# Altium PCB AMS-LV.PcbDoc (part 1 of 2) (continued)
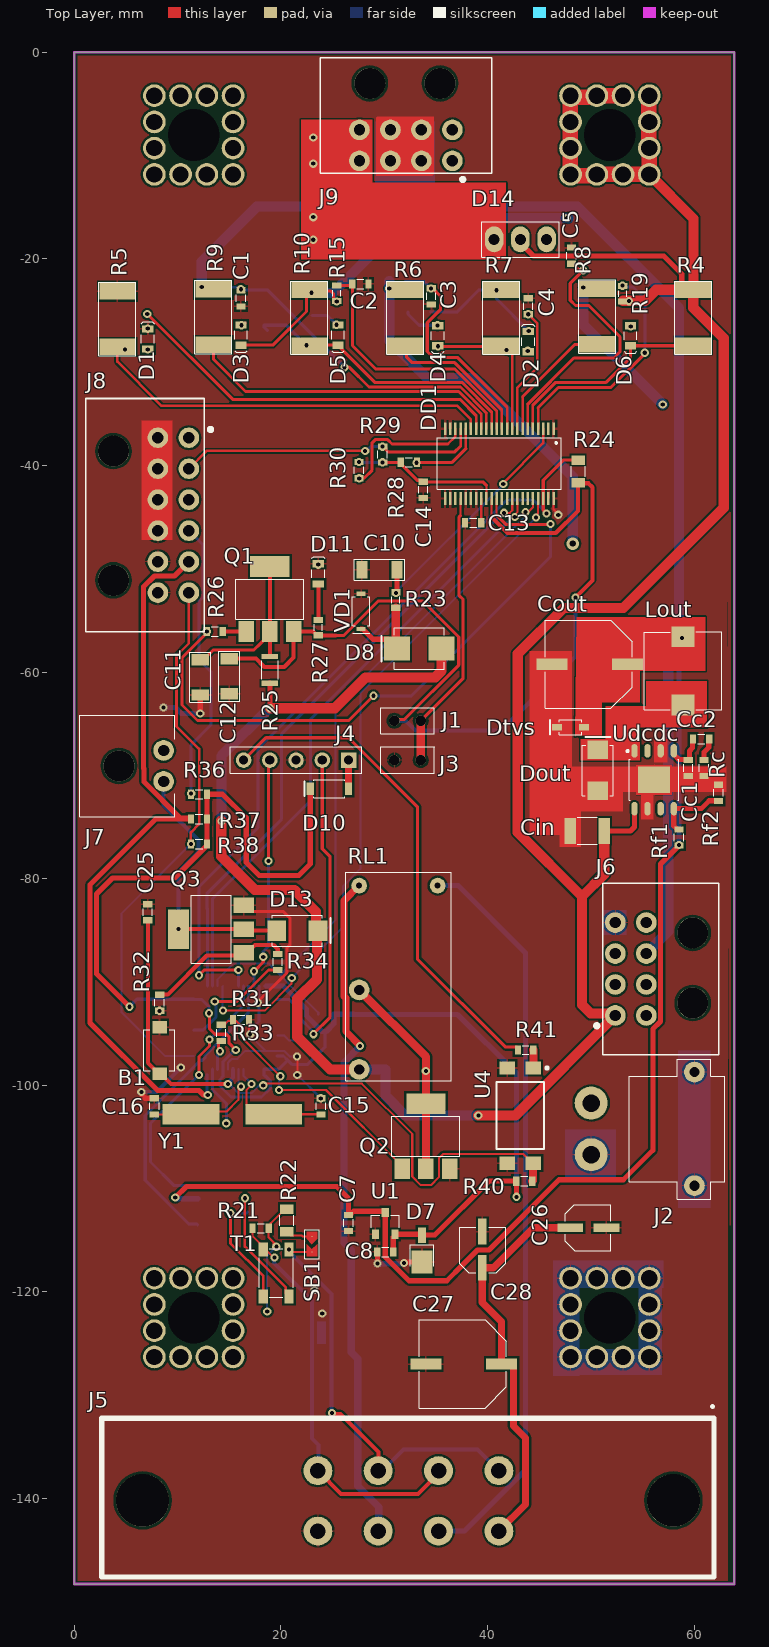
[diagram p0: Top Layer view]
## Footprints (in the part's own frame and the unit in brackets; to place one, negate y for a bottom-side part, rotate by r counter-clockwise, add the part's x,y. Pads: shape width x height; smd on the part's side, far side on the other; paste and mask are expansions set on the pad)
"0603 Capicator" [mm]
  rect 0.6x0.9 smd: 1(-0.78,0) 2(0.78,0)
  silkscreen extent -0.35,-0.45 0.35,0.45, body extent -0.82,-0.45 0.88,0.45, height 0.9
"0603 Resistor" [mm]
  rect 0.6x0.9 smd: 1(-0.78,0) 2(0.78,0)
  silkscreen extent -0.35,-0.45 0.35,0.45, body extent -0.85,-0.45 0.85,0.45, height 0.55
"0805 LED" [mm]
  rect 0.7x1.1 smd: 1(-0.975,0) 2(0.975,0)
  silkscreen extent -0.4,-0.63 1.68,0.63, body extent -1.01,-0.62 1.01,0.62, height 1.1
"0805 Resistor" [mm]
  rect 0.9x1.3 smd: 1(-1.1,0) 2(1.1,0)
  silkscreen extent -0.53,-0.67 0.53,0.67, body extent -1.05,-0.67 1.05,0.68, height 0.6
"1210 CAPACITOR" [mm]
  rect 1.1x2.5 smd: 1(-1.65,0) 2(1.65,0)
  silkscreen extent -0.95,-1.3 0.97,1.3, body extent -1.75,-1.35 1.75,1.35, height 1.8
7460408 [mm]
  round 2.2 hole 1.57: 1(-3.81,-3.81) 2(-1.27,-3.81) 3(1.27,-3.81) 4(3.81,-3.81) 5(3.81,-1.27) 6(3.81,1.27) 7(3.81,3.81) 8(1.27,3.81) 9(-1.27,3.81) 10(-3.81,3.81) 11(-3.81,1.27) 12(-3.81,-1.27)
  round 2.5 hole 5 unplated: 13(0,0)
  silkscreen extent -4.5,-4.5 4.5,4.5, body extent -4.5,-4.5 4.5,4.5, height 6.1
ACT45B [mm]
  rect 1.35x0.9 smd: 1(0.675,2.5) 2(0.675,0) 3(5.225,0) 4(5.225,2.5)
  silkscreen extent 0.6,-0.4 5.3,2.9, body extent 0.7,-0.35 5.2,2.85, height 3
"Bar Cap 4x5.4" [mm]
  rect 0.8x2.5 smd: 1(0,0) 2(0,-3.5)
  silkscreen extent -2.2,-4 2.25,0.43, body extent -2.15,-4.3 2.15,0.7, height 5.4
"Bar Cap 8x10.5"#1 [mm]
  rect 1.1x3 smd: 1(0,0) 2(0,-7.325)
  silkscreen extent -4.28,-7.8 4.28,0.65, body extent -4.14,-8.24 4.16,1.06, height 10.31
"Bar Cap 8x10.5"#2 [mm]
  rect 1.1x3 smd: 1(0,0) 2(0,7.325)
  silkscreen extent -4.28,-0.65 4.28,7.8, body extent -4.31,-1.06 3.99,8.24, height 10.31
"BUTTON 4x3" [mm]
  rect 1.4x1.2 smd: 1(0,0) 2(0,-4.5)
  silkscreen extent -1.48,-4.25 1.53,-0.25, body extent -1.43,-4.78 1.47,0.22, height 2
"Cap 0.1µF (1206)" [mm]
  rect 1.1x1.7 smd: 1(1.7,0) 2(-1.7,0)
  silkscreen extent -2.42,-1.02 2.43,1.02, body extent -1.68,-0.88 1.67,0.87, height 1
"Conn 4x2 [MX150L]" [mm]
  round 2.8 hole 1.5: 1(-8.125,15.125) 2(-2.285,15.125) 3(3.555,15.125) 4(9.4,15.125) 5(-8.125,9.275) 6(-2.285,9.275) 7(3.555,9.275) 8(9.4,9.275)
  round 5.1 hole 5.1: A(-25.1,12.25) A(26.3,12.25)
  silkscreen extent -29.05,4.82 30.23,21.33, body extent -28.68,-19.5 29.74,20.15, height 32.1
"Conn PLS-2" [mm]
  round 1.02 hole 1.02: 1(0,-1.27) 2(0,1.27)
  silkscreen extent -1.28,-2.6 1.28,2.6, body extent -1.27,-2.54 1.27,2.54, height 5.57
DO-216AA [mm]
  rect 2.2x2 smd: 1(-1.1,0)
  rect 1.5x0.8 smd: 2(1.5,0)
  silkscreen extent -1.5,-1.15 0.58,1.15, body extent -1.91,-0.93 1.85,0.98, height 1.02
hc-49sm [mm] "Crystal Resonator"
  rect 5.5x2 smd: 1(0,0) 2(8,0)
  body extent -2.2,-2.35 10.2,2.35, height 3.8
"HEADER 2 XT30PW Male" [mm]
  round 3.2 hole 1.7: 1(0,0) 2(5,0)
  round 2 hole 1: A(-3,10) A(8,10)
  silkscreen extent -4.25,3.67 9.3,12.93, body extent -4.12,-1.05 9.18,12.9, height 5.1
HSOP-8 [mm]
  oval 1.3x0.6 smd mask+0.03: 1(-2.8,-1.905) 2(-2.8,-0.635) 3(-2.8,0.635) 4(-2.8,1.905) 5(2.8,1.905) 6(2.8,0.635) 7(2.8,-0.635) 8(2.8,-1.905)
  rect 2.6x3.1 smd mask+0.03: A(0,0)
  silkscreen extent -2.87,-2.67 2,2.4, body extent -3.01,-2.35 3.01,2.35, height 1.7
"Inductor 7x7" [mm]
  rect 2x2.2 smd: 1(-3.3,0) 2(3.3,0)
  silkscreen extent -3.77,-3.75 3.77,3.75, body extent -3.65,-3.65 3.65,3.65, height 4.5
LQFP48 [mm]
  oval 1.55x0.254 smd mask+0.02: 1(-4.025,2.75) 2(-4.025,2.25) 3(-4.025,1.75) 4(-4.025,1.25) 5(-4.025,0.75) 6(-4.025,0.25) 7(-4.025,-0.25) 8(-4.025,-0.75) 9(-4.025,-1.25) 10(-4.025,-1.75) 11(-4.025,-2.25) 12(-4.025,-2.75) 25(4.025,-2.75) 26(4.025,-2.25) 27(4.025,-1.75) 28(4.025,-1.25) 29(4.025,-0.75) 30(4.025,-0.25) 31(4.025,0.25) 32(4.025,0.75) 33(4.025,1.25) 34(4.025,1.75) 35(4.025,2.25) 36(4.025,2.75)
  oval 0.254x1.55 smd mask+0.02: 13(-2.75,-4.025) 14(-2.25,-4.025) 15(-1.75,-4.025) 16(-1.25,-4.025) 17(-0.75,-4.025) 18(-0.25,-4.025) 19(0.25,-4.025) 20(0.75,-4.025) 21(1.25,-4.025) 22(1.75,-4.025) 23(2.25,-4.025) 24(2.75,-4.025) 37(2.75,4.025) 38(2.25,4.025) 39(1.75,4.025) 40(1.25,4.025) 41(0.75,4.025) 42(0.25,4.025) 43(-0.25,4.025) 44(-0.75,4.025) 45(-1.25,4.025) 46(-1.75,4.025) 47(-2.25,4.025) 48(-2.75,4.025)
  silkscreen extent -3.8,-2.85 2.85,3.9, body extent -4.5,-4.54 4.5,4.46, height 1.56
LTC6810-1 [mm]
  rect 1.25x0.25 smd: 1(-3.375,5.5) 2(-3.375,5) 3(-3.375,4.5) 4(-3.375,4) 5(-3.375,3.5) 6(-3.375,3) 7(-3.375,2.5) 8(-3.375,2) 9(-3.375,1.5) 10(-3.375,1) 11(-3.375,0.5) 12(-3.375,0) 13(-3.375,-0.5) 14(-3.375,-1) 15(-3.375,-1.5) 16(-3.375,-2) 17(-3.375,-2.5) 18(-3.375,-3) 19(-3.375,-3.5) 20(-3.375,-4) 21(-3.375,-4.5) 22(-3.375,-5) 23(3.375,-5) 24(3.375,-4.5) 25(3.375,-4) 26(3.375,-3.5) 27(3.375,-3) 28(3.375,-2.5) 29(3.375,-2) 30(3.375,-1.5) 31(3.375,-1) 32(3.375,-0.5) 33(3.375,0) 34(3.375,0.5) 35(3.375,1) 36(3.375,1.5) 37(3.375,2) 38(3.375,2.5) 39(3.375,3) 40(3.375,3.5) 41(3.375,4) 42(3.375,4.5) 43(3.375,5) 44(3.375,5.5)
  silkscreen extent -2.5,-5.75 2.5,6.25
Microfit_4x2 [mm]
  round 2 hole 1.1: 1(0,0) 2(3,0) 3(6,0) 4(9,0) 5(0,-3) 6(3,-3) 7(6,-3) 8(9,-3)
  round 3 hole 3: A(1.2,-7.5) A(8,-7.5)
  silkscreen extent -3.8,-10 12.8,2.02, body extent -3.57,-11.95 12.58,0.29, height 8.83
Microfit_6x2 [mm]
  round 2 hole 1.1: 1(0,0) 2(3,0) 3(6,0) 4(9,0) 5(12,0) 6(15,0) 7(0,-3) 8(3,-3) 9(6,-3) 10(9,-3) 11(12,-3) 12(15,-3)
  round 3 hole 3: A(1.3,-7.3) A(13.8,-7.3)
  silkscreen extent -3.8,-10 18.8,2.32, body extent -3.57,-11.95 18.57,0.28, height 2.12
"MolexMicroFit 2x1" [mm]
  round 2 hole 1.1: 1(3,0) 2(0,0)
  round 3 hole 3: A(1.5,-4.32)
  silkscreen extent -3.4,-8.1 6.4,1.1, body extent -3.33,-8.9 6.33,1, height 5.64
"Optocupler [LTV-817S]" [mm]
  rect 1.3x1.5 smd: 1(-4.6,1.27) 2(-4.6,-1.27) 3(4.6,-1.27) 4(4.6,1.27)
  silkscreen extent -4.72,-2.3 3.25,2.7, body extent -5.08,-2.3 5.08,2.3, height 3.85
"PLS 5x1" [mm] "Connector; Header; 5 Position"
  rect 1.5x1.5 hole 0.9: 1(0,0)
  round 1.5 hole 0.9: 2(2.54,0) 3(5.08,0) 4(7.62,0) 5(10.16,0)
  silkscreen extent -1.27,-1.27 11.43,1.27, body extent -1.28,-1.28 11.42,1.26, height 8.54
Relay(RE030024) [mm]
  round 1.524 hole 0.6: 1(8.8,3.8) 2(8.8,-3.8)
  round 2 hole 1: 3(-1.3,3.8) 4(-9,3.8)
  silkscreen extent -10.1,-5.1 10.1,5.1, body extent -10,-5 10,5, height 10.75
"RES 5.1k (603)" [mm]
  rect 0.9x0.6 smd: 1(-0.05,-0.725) 2(-0.025,0.775)
  silkscreen extent -0.45,-0.27 0.35,0.33, body extent -0.45,-0.77 0.35,0.83, height 0.45
"RES 10R (603)" [mm]
  rect 0.9x0.6 smd: 1(0,-0.75) 2(0.025,0.75)
  silkscreen extent -0.4,-0.3 0.4,0.3, body extent -0.4,-0.8 0.4,0.8, height 0.45
"RES 39R (2512)" [mm]
  rect 3.5x1.6 smd: 1(0.1,-2.675) 2(0.1,2.725)
  silkscreen extent -1.7,-3.53 1.9,3.57, body extent -1.45,-3.13 1.65,3.17, height 0.65
"RES 100R (603)"#1 [mm]
  rect 0.9x0.6 smd: 1(0,0.75) 2(0,-0.75)
  silkscreen extent -0.4,-0.3 0.4,0.3, body extent -0.4,-0.8 0.4,0.8
"RES 100R (603)"#2 [mm]
  rect 0.9x0.6 smd: 1(0,-0.75) 2(0,0.75)
  silkscreen extent -0.4,-0.3 0.4,0.3, body extent -0.4,-0.8 0.4,0.8, height 0.45
"Res 100R (1206)" [mm]
  rect 1.6x0.5 smd: 1(0.8,0.3) 2(0.8,2.9)
  silkscreen extent 0,0.7 1.6,2.5, body extent 0,0 1.6,3.2, height 0.6
"Res 300R (603)" [mm]
  rect 0.9x0.6 smd: 1(0,-0.75) 2(0,0.75)
  silkscreen extent -0.4,-0.3 0.4,0.3, body extent -0.4,-0.8 0.4,0.8, height 0.45
"SB 0603" [mm] "Jumper"
  rect 0.1x0.1 smd: 1(-0.65,0) 2(0.85,0)
  Top Layer region: 0.641,-0.508 0.134,0 0.642,0.508 1.309,0.508 1.309,-0.508
  Top Layer region: 0.12,-0.508 -0.388,0 0.12,0.508 -1.05,0.508 -1.05,-0.508
  silkscreen extent -1.28,-0.7 1.53,0.7
SMA [mm]
  rect 1.8x2 smd: 1(-2,0) 2(2,0)
  silkscreen extent -2.45,-1.5 3.2,1.5, body extent -2.74,-1.4 2.74,1.4, height 2.29
SMB [mm]
  rect 2.5x2.3 smd: 1(-2.15,0) 2(2.15,0)
  silkscreen extent -2.42,-2 3.65,2, body extent -2.79,-1.97 2.79,1.97, height 2.65
SO-8 [mm]
  oval 1.78x0.72 smd: 1(0,0) 2(0,-1.27) 3(0,-2.54) 4(0,-3.81) 5(4.85,-3.81) 6(4.85,-2.54) 7(4.85,-1.27) 8(4.85,0)
  silkscreen extent 1.1,-4.35 3.72,0.55, body extent -0.45,-4.35 5.33,0.55, height 1.45
sod-123 [mm]
  rect 0.7x1.2 smd: 1(0,0) 2(3.7,0)
  silkscreen extent 0.35,-0.9 4.25,0.87, body extent 0,-0.8 3.7,0.8
sod-323 [mm]
  rect 1x0.6 smd: 1(0,0) 2(2.6,0)
  silkscreen extent 0.23,-0.72 3.3,0.72, body extent 0.03,-0.68 2.63,0.67, height 1.1
SOT-23 [mm]
  rect 0.7x0.9 smd: 1(0,0) 2(1.9,0) 3(0.95,2.1)
  silkscreen extent -0.4,0.65 2.3,1.83, body extent -0.55,-0.18 2.45,2.22, height 1.1
SOT-223 [mm]
  rect 1.5x2 smd: 1(-2.3,0) 2(0,0) 3(2.3,0)
  rect 3.8x2 smd: 2(0,6.3)
  silkscreen extent -3.3,1.2 3.3,5.07, body extent -3.25,-0.23 3.25,6.73, height 1.7
TO-220-3 [mm]
  oval 1.8x2.5 hole 1.05: 1(-2.475,0.025) 2(0.065,0.025) 3(2.605,0.025)
  silkscreen extent -3.67,-1.7 3.83,1.75, body extent -4.89,-2.07 5.02,2.42, height 19.8
"TVS Diode 26V [SMF26A]" [mm]
  rect 0.4x0.9 smd: 1(1.525,0.075) 2(-1.875,0.075)
  silkscreen extent -1.58,-0.78 1.92,0.92, body extent -1.97,-0.75 1.62,0.9, height 0.95

## Part data
B1: library part "Button 2 Conn", "Button 2 Conn SMD", Manufacturer="KLS electronic co ltd", Part Number=L-KLS7-TS3608-5.0-180, ComponentLink1Description=Chip&Dip, ComponentLink1URL=https://www.chipdip.ru/product/kls7-ts3608-5.0-180-td-02xa, Type=Button
C1 C2 C3 C4 C5 C6: library part "Cap 10nF (0603)", "X7R 10nF 100V 10% 0603", Manufacturer="Murata Manufacturing", Part Number=GRM188R72A103KA01D, ComponentLink1Description=Chip&Dip, ComponentLink1URL=https://www.chipdip.ru/product/grm188r72a103ka01d, Type=Capacitor
C7 C8 C13 C14: library part "Cap 1uF (0603)", "1uF X5R 25V 10% 0603", Manufacturer="Murata Manufacturing", Part Number=GRM188R61E105KAADD, ComponentLink1Description=Chip&Dip, ComponentLink1URL=https://www.chipdip.ru/product/grm188r61e105k, Type=Capacitor
C9: library part "Cap 4.7uF (0603)", "4.7uF X5R 25V 10% 0603", Manufacturer="Murata Manufacturing", Part Number=GRM188R61E475KE11D, ComponentLink1Description=Chip&Dip, ComponentLink1URL=https://www.chipdip.ru/product0/9000348448, Type=Capacitor
C10 C11: library part "Cap 0.1µF (1206)", "CERAMIC CAPACITOR 0.1uF, 100V, 10%, 1206", ComponentLink1Description=ChipDip, ComponentLink1URL=https://www.chipdip.ru/product/ld061c104kab2a, ComponentLink2Description=DataSheet, ComponentLink2URL=http://www.farnell.com/datasheets/2097579.pdf, Type=Capacitor
C12: library part "Cap 1µF (1206)", "1uF 100V 10%", ComponentLink1Description="Chip Dip", ComponentLink1URL=https://www.chipdip.ru/product/12061c105k4z2a-smd-mlcc-1206-100v-x7r-1u-1, ComponentLink2Description=Datasheet, ComponentLink2URL=http://www.farnell.com/datasheets/2237835.pdf, Type=Capacitor
C15 C16: library part "Cap 10pF (0603)", "10pF NP0 50V 5% 0603", Manufacturer="Murata Manufacturing", Part Number=GRM1885C1H100JA01D, ComponentLink1Description=Chip&Dip, ComponentLink1URL=https://www.chipdip.ru/product/grm1885c1h100j, Type=Capacitor
C17 C18 C19 C20 C21 C22 C23 C24 C25: library part "Cap 0.1uF (0603)", "0.1uF X7R 16V 10% 0603", Manufacturer="Murata Manufacturing", Part Number=GRM188R71C104KA01D, ComponentLink1Description=Chip&Dip, ComponentLink1URL=https://www.chipdip.ru/product/grm188r71c104ka01d, Type=Capacitor
C26 C28: library part "Cap Pol 4.7uF", "ECAP SMD,  35V, 105°C", Manufacturer=Epcos, Part Number=B41121A7475M000, ComponentLink1Description=Chip&Dip, ComponentLink1URL=https://www.chipdip.ru/product/b41121a7475m000, Type=Capacitor
C27 Cout: library part "Cap Pol 330uF", "ECAP SMD,  16V, 105°C, 20%", Manufacturer=JB, Part Number=JCK1C331M080105, ComponentLink1Description=Chip&Dip, ComponentLink1URL=https://www.chipdip.ru/product0/9000565746, Type=Capacitor
Cc1: library part "Cap 220pF (0603)", "220pF NP0 50V 5% 0603", Manufacturer="Murata Manufacturing", Part Number=GRM1885C1H221J, ComponentLink1Description=Chip&Dip, ComponentLink1URL=https://www.chipdip.ru/product/grm1885c1h221j, Type=Capacitor
Cc2: library part "Cap 22nF (0603)", "22nF X7R 50V 10% 0603", Manufacturer="Murata Manufacturing", Part Number=GRM188R71H223KA01D, ComponentLink1Description=Chip&Dip, ComponentLink1URL=https://www.chipdip.ru/product/grm188r71h223k, Type=Capacitor
Cin: library part "Cap 10uF (1210)", "10uF X7R 10% 50V 1210", Manufacturer="Murata Manufacturing", Part Number=GRM32ER71H106KA12, ComponentLink1Description=Chip&Dip, ComponentLink1URL=https://www.chipdip.ru/product/grm32er71h106k, Type=Capacitor
D1 D2 D3 D4 D5 D6: library part "Led Red", "SMD 1608, 112mcd, 120°, 630nM (Ultra Bright Red)", Manufacturer="Taiwan Oasis Technology", Part Number=TO-1608BC-MRE, ComponentLink1Description=Chip&Dip, ComponentLink1URL=https://www.chipdip.ru/product/to-1608bc-mre, Type=Diode
D7: library part "TVS Diode 3.3V [SM2T]", "High peak pulse power: 200 W (10/1000 μs)", Manufacturer=STMicroelectronics, Part Number=SM2T3V3A, ComponentLink1Description=DataSheet, ComponentLink1URL=https://www.st.com/resource/en/datasheet/sm2t3v3a.pdf, ComponentLink2Description=Chip&Dip, ComponentLink2URL=https://www.chipdip.ru/product0/8283670575, Type=Diode
D8: library part "Diode Schottky (SMB)", "Diode Schottky 5A 40V", Manufacturer="Diotec Semiconductor", Part Number=SK54, ComponentLink1Description=DataSheet, ComponentLink1URL=https://static.chipdip.ru/lib/092/DOC001092363.pdf, ComponentLink2Description=Chip&Dip, ComponentLink2URL=https://www.chipdip.ru/product/sk54, Type=Diode
D9: library part "TVS Diode Arrays", Manufacturer=Littelfuse, Part Number=SM24CANB-02HTG, ComponentLink1Description=DataSheet, ComponentLink1URL=https://m.littelfuse.com/~/media/electronics/datasheets/tvs_diode_arrays/littelfuse_tvs_diode_array_sm24canb_datasheet.pdf.pdf, ComponentLink2Description=Chip&Dip, ComponentLink2URL=https://www.chipdip.ru/product1/8001779022, Type=Diode
D10: library part "Diode Schottky (SOD-123)", "0.5 A, Low Forward Voltage less than 385 mV, 400 mW Power Dissipation Package", Manufacturer="ON Semiconductor", Part Number=MBR0520L, ComponentLink1Description=DataSheet, ComponentLink1URL=http://www.farnell.com/datasheets/1875336.pdf, ComponentLink2Description=Chip&Dip, ComponentLink2URL=https://www.chipdip.ru/product/mbr0520l, Type=Diode
D11: library part "Led Green", "Led Green SMD 1608, 120°, 525nM", Manufacturer="Taiwan Oasis Technology", Part Number=TO-1608BC-PG, ComponentLink1Description=Chip&Dip, ComponentLink1URL=https://www.chipdip.ru/product/to-1608bc-pg, Type=Diode
D12 D13 Dout: library part "Diode Schottky (SMA)", "Diode Schottky 3A 40V", Manufacturer=Vishay, Part Number=B340A-E3/61T, ComponentLink1Description=DataSheet, ComponentLink1URL=https://static.chipdip.ru/lib/652/DOC001652710.pdf, ComponentLink2Description=Chip&Dip, ComponentLink2URL=https://www.chipdip.ru/product/b340a-e3-61t-2, Type=Diode
D14: library part "Diode Schottky [TO-220-3]", "Diode Schottky 2 x 20A 45V", ComponentLink1Description=ChipDip, ComponentLink1URL=https://www.chipdip.ru/product/vs-40ctq045-m3-vishay, ComponentLink2Description=DataSheet, ComponentLink2URL=https://static.chipdip.ru/lib/208/DOC005208502.pdf
Dtvs: library part "TVS Diode 5V [PESD]", "ESD Suppressor TVS 30KV,130W,  SOD-323", Manufacturer=Nexperia, Part Number=PESD5V0S1BA,115, ComponentLink1Description=DataSheet, ComponentLink1URL=https://static.chipdip.ru/lib/160/DOC001160262.pdf, ComponentLink2Description=Chip&Dip, ComponentLink2URL=https://www.chipdip.ru/product/pesd5v0s1ba.115, Type=Diode
J1 J3: library part "Conn PLS-2", "PLS-2 (DS1021-1x2)", ComponentLink1Description=ChipDip, ComponentLink1URL=https://www.chipdip.ru/product/pls-2?yclid=7505697924270808350&utm_source=direct&utm_medium=cpc&position_type=premium%7Ck50id%7C010000001264065_Все%7Ccid%7C50598766%7Cgid%7C4147825070%7Caid%7C8822723075%7Csrc%7Csearch_none&utm_campaign=Y_dinamicheskaya&utm_content=text4_ya&utm_term=, ComponentLink2Description=Datasheet, ComponentLink2URL=https://static.chipdip.ru/lib/977/DOC005977245.pdf, Type=Connector
J2: library part "Connector XT30PW-Male", Manufacturer=Amass, Part Number=XT30PW, ComponentLink1Description=AliExpress, ComponentLink1URL=https://ru.aliexpress.com/item/4000070113352.html?spm=a2g0o.productlist.0.0.39dd34bfyYuspa&algo_pvid=4d7d83f5-6270-4220-b100-9b5f13b0846d&algo_expid=4d7d83f5-6270-4220-b100-9b5f13b0846d-3&btsid=c67bc929-e3be-4af3-9fd9-25ac13ce4818&ws_ab_test=searchweb0_0,searchweb201602_,searchweb201603_55, Type=Connector
J4: "Header, 5-Pin", LatestRevisionDate=17-Jul-2002, LatestRevisionNote="Re-released for DXP Platform.", Publisher="Altium Limited"
J5: library part "Conn4x2 [MX150L]", "5.84mm Pitch MX150L Right-Angle PCB Header, Dual Row, without PCB Flange, 8 Circuits", Manufacturer=Molex, Part Number=194270017, ComponentLink1Description=Molex, ComponentLink1URL=https://www.molex.com/molex/products/part-detail/pcb_headers/0194270017, Type=Connector
J6 J9: library part "Conn4x2 [Microfit]", "PCB Mount Header, Right Angle,  Wire-to-Board", Manufacturer=Molex, Part Number=430450801, ComponentLink1Description=Molex, ComponentLink1URL=https://www.molex.com/molex/products/part-detail/pcb_headers/0430450801, Type=Connector
J7: library part "Conn 2 [MicroFit]", "Micro-Fit 3.0 Right-Angle Header, 3.00mm Pitch, Single Row, 2 Circuits, with Snap-in Plastic Peg PCB Lock, Tin, Glow-Wire Capable, Black", Manufacturer=Molex, Part Number=436500200, ComponentLink1Description=Molex, ComponentLink1URL=https://www.molex.com/molex/products/part-detail/pcb_headers/0436500200, Type=Connector
J8: library part "Conn6x2 [Microfit]", "PCB Mount Header, Right Angle,  Wire-to-Board", Manufacturer=Molex, Part Number=430451200, ComponentLink1Description=Molex, ComponentLink1URL=https://www.molex.com/molex/products/part-detail/pcb_headers/0430451200, Type=Connector
J10 J11 J12 J13: "PCB terminal block, bushing, M5", Manufacturer_Name="Wurth Elektronik*", Manufacturer_Part_Number=7460408, Mouser Part Number=710-7460408, ComponentLink1Description=ChipDip, ComponentLink1URL=https://www.chipdip.ru/product/7460408-1, ComponentLink2Description=Datasheet, ComponentLink2URL=http://www.farnell.com/datasheets/1736664.pdf, Datasheet Link=http://katalog.we-online.com/em/datasheet/7460408.pdf, Height=6mm, Mouser Price/Stock=https://www.mouser.co.uk/ProductDetail/Wurth-Elektronik/7460408?qs=lykWx4dhCCG7IAhyxQ5B4w%3D%3D, Type="Terminal block"
Lout: library part "Inductor 15uH (0.2..3.6A)", "15uH, 1.53A, 7X7", Manufacturer=Epcos, Part Number=B82472G6153M000, ComponentLink1Description=DataSheet, ComponentLink1URL=https://static.chipdip.ru/lib/972/DOC003972643.pdf, ComponentLink2Description=Chip&Dip, ComponentLink2URL=https://www.chipdip.ru/product/b82472g6153m000-15, Type=Inductor
Q1 Q2 Q3: library part "NPN [PBS]", "NPN low VCEsat transistor in a SOT223 plastic package", Manufacturer=Nexperia, Part Number=PBSS4540Z,115, ComponentLink1Description=DataSheet, ComponentLink1URL=https://static.chipdip.ru/lib/583/DOC001583057.pdf, ComponentLink2Description=Chip&Dip, ComponentLink2URL=https://www.chipdip.ru/product/pbss4540z.115, Type=Transistor
R1 R2 R3 R11 R12 R20 R22: library part "Res 75R (0805)", "0.125W 0805 75R, 1%", Manufacturer=Taiwan, Part Number=RC0805FR-0775RL, ComponentLink1Description=Chip&Dip, ComponentLink1URL=https://www.chipdip.ru/product0/9000079459, Type=Resistor
R4 R5 R6 R7 R8 R9 R10: library part "Res 39R (2512)", "2512 47R 1%", ComponentLink1Description=ChipDip, ComponentLink1URL=https://www.chipdip.ru/product0/9000190077?from=suggest_product, ComponentLink2Description=Datasheet, ComponentLink2URL=https://static.chipdip.ru/lib/788/DOC004788200.pdf, Type=Resistor
R13 R14 R15 R16 R17 R18 R19: library part "Res 100R (603)", "603 100R 1% 0.1W", ComponentLink1Description=ChipDip, ComponentLink1URL=https://www.chipdip.ru/product0/9000079616, ComponentLink2Description=Datasheet, ComponentLink2URL=https://static.chipdip.ru/lib/788/DOC004788200.pdf, Type=Resistor
R21: library part "Res 62R (0603)", "0.1W 0603 62R, 1%", Manufacturer=Taiwan, Part Number=RC0603FR-0762RL, ComponentLink1Description=Chip&Dip, ComponentLink1URL=https://www.chipdip.ru/product0/9000079611, Type=Resistor
R23: library part "Res 10R (603)", "603 10R 75V", ComponentLink1Description=ChipDip, ComponentLink1URL=https://www.chipdip.ru/product/crcw060310r0fkea, ComponentLink2Description=Datasheet, ComponentLink2URL=http://www.farnell.com/datasheets/2310790.pdf, Type=Resistor
R24: library part "Res 1M (0805)", "0.125W 0805 1 MR, 5%", Manufacturer=Taiwan, Part Number=RC0805JR-071ML, ComponentLink2Description=Chip&Dip, ComponentLink2URL=https://www.chipdip.ru/product0/830469679, Type=Resistor
R25: library part "Res 100R (1206)", "1206 100R 1%", ComponentLink1Description="Chip Dip", ComponentLink1URL=https://www.chipdip.ru/product/cr1206-fx-1000elf-smd-1206-thick-film-resis, ComponentLink2Description=Datasheet, ComponentLink2URL=http://www.farnell.com/datasheets/2178762.pdf, Type=Resistor
R26: library part "Res 0R (0603)", "0.1W 0603 0R, 5%", Manufacturer=Taiwan, Part Number=RC0603JR-070RL, ComponentLink1Description=Chip&Dip, ComponentLink1URL=https://www.chipdip.ru/product0/9000070541, Type=Resistor
R27 R41: library part "Res 300R (603)", "0603 300R 1%", ComponentLink1Description=ChipDip, ComponentLink1URL=https://www.chipdip.ru/product0/9000079627, ComponentLink2Description=DataSheet, ComponentLink2URL=https://static.chipdip.ru/lib/788/DOC004788200.pdf, Type=Resistor
R28 R29 R30 R31 R32 R36 R37 R38 R40: library part "Res 10k (0603)", "0.1W 0603 10k, 1%", Manufacturer=Taiwan, Part Number=RC0603FR-0710KL, ComponentLink1Description=Chip&Dip, ComponentLink1URL=https://www.chipdip.ru/product0/9000079736, Type=Resistor
R33 R34: library part "Res 1k (0603)", "0.1W 0603 1k, 1%", Manufacturer=Taiwan, Part Number=RC0603FR-071KL, ComponentLink1Description=Chip&Dip, ComponentLink1URL=https://www.chipdip.ru/product0/9000079676, Type=Resistor
R35: library part "Res 5.1k (603)", "0.1W 0603 5.1 kOhm, 1%", ComponentLink1Description=ChipDip, ComponentLink1URL=https://www.chipdip.ru/product0/9000079729, ComponentLink2Description=Datasheet, ComponentLink2URL=https://static.chipdip.ru/lib/788/DOC004788200.pdf, Type=Resistor
R39: library part "Res 3.9k (0603)", "0.1W 0603 3.9k, 1%", Manufacturer=Taiwan, Part Number=RC0603FR-073K9L, ComponentLink1Description=Chip&Dip, ComponentLink1URL=https://www.chipdip.ru/product0/9000079726, Type=Resistor
Rc: library part "Res 4.7k (0603)", "0.1W 0603 4.7k, 1%", Manufacturer=Taiwan, Part Number=RC0603FR-074K7L, ComponentLink1Description=Chip&Dip, ComponentLink1URL=https://www.chipdip.ru/product0/9000079728, Type=Resistor
Rf1: library part "Res 11k (0603)", "0.1W 0603 11k, 1%", Manufacturer=Taiwan, Part Number=RC0603FR-0711KL, ComponentLink1Description=Chip&Dip, ComponentLink1URL=https://www.chipdip.ru/product0/9000079737, Type=Resistor
Rf2: library part "Res 3.3k (0603)", "0.1W 0603 3.3k, 1%", Manufacturer=Taiwan, Part Number=RC0603FR-073K3L, ComponentLink1Description=Chip&Dip, ComponentLink1URL=https://www.chipdip.ru/product0/9000079724, Type=Resistor
RL1: library part "Relay 24V 6A", "Coil voltage: 24V; 6A max", Manufacturer="TE Connectivity", Part Number=RE030024, ComponentLink1Description=Chip&Dip, ComponentLink1URL=https://www.chipdip.ru/product/tyco-re030024-1393217-8, ComponentLink2Description=Datasheet, ComponentLink2URL=https://static.chipdip.ru/lib/975/DOC000975764.pdf, Type=Relay
T1: "Common mode filters / Automotive signal line (for power train/safety)", Manufacturer="EMC Components", Part Number=ACT45B-510-2P-TL003, ComponentLink1Description=DataSheet, ComponentLink1URL=https://product.tdk.com/info/en/catalog/datasheets/cmf_automotive_signal_act45b_en.pdf, Type=Inductor
U1: library part "LDO 3.3V [MCP]", "A family of CMOS low dropout (LDO)voltage  regulators  that  can  deliver  up  to  250 mA  ofcurrent  while  consuming  only  1.6 μA  of  quiescentcurrent (typical). The input operating range is specifiedfrom 2.3V to 6.0V", Manufacturer=Microchip, Part Number=MCP1700T-3302E/TT, ComponentLink1Description=DataSheet, ComponentLink1URL=https://static.chipdip.ru/lib/276/DOC000276804.pdf, ComponentLink2Description=Chip&Dip, ComponentLink2URL=https://www.chipdip.ru/product/mcp1700t-3302e-tt, ComponentLink3Description=Elitan, ComponentLink3URL=https://www.elitan.ru/price/item595361
U2: library part "CAN Transceiver [MCP2551]", "High-speed  CAN,  fault-tolerantdevice  that  serves  as  the  interface  between  a  CANprotocol controller and the physical bus.", Manufacturer=Microchip, Part Number=MCP2551-I/SN, ComponentLink1Description=DataSheet, ComponentLink1URL=https://static.chipdip.ru/lib/204/DOC000204457.pdf, ComponentLink2Description=Chip&Dip, ComponentLink2URL=https://www.chipdip.ru/product/mcp2551-i-sn, Type=IC
U3: "Cortex™-M3 32-bit RISC core operating at a 72 MHz frequency", Manufacturer=STMicroelectronics, ComponentLink1Description=DataSheet, ComponentLink1URL=https://static.chipdip.ru/lib/235/DOC000235733.pdf, ComponentLink2Description=Chip&Dip, ComponentLink2URL=https://www.chipdip.ru/product/stm32f103c8t6, Part Number=STM32F103C8T6, Type=IC
U4: library part "Optocupler [LTV-817S]", "LTV-817S, 5000 Vrms, SMD-4, 4-pin, -30...+110 degC", ComponentLink1Description=ChipDip, ComponentLink1URL=https://www.chipdip.ru/product0/8001777801, ComponentLink2Description=Datasheet, ComponentLink2URL=https://static6.arrow.com/aropdfconversion/acb51fbce558b47de527fd2f65fc66930fdd9300/2s_110_ltv-817202082720208472020m20s20s-ta20s-t.pdf
Udcdc: library part "DC/DC Controller [L5973]", "The L5973AD is a step down monolithic power switching regulator with a switch current limit of 2 A so it is able to deliver more than 1.5 A DC current to the load depending on the application conditions", Manufacturer=STMicroelectronics, Part Number=L5973ADTR, ComponentLink1Description=Chip&Dip, ComponentLink1URL=https://www.chipdip.ru/product/l5973ad, ComponentLink2Description=DataSheet, ComponentLink2URL=https://static.chipdip.ru/lib/583/DOC001583165.pdf, Type=IC
VD1: library part "TVS Diode 26V [SMF26A]", "SMF26A 200W", ComponentLink1Description=ChipDip, ComponentLink1URL=https://www.chipdip.ru/product/smf26a, ComponentLink2Description=Datasheet, ComponentLink2URL=https://static.chipdip.ru/lib/152/DOC001152952.pdf, Type=Diode
Y1: library part "Crystal 8MHz SMD", "Crystal. HC-49SM (US)", Manufacturer=China, Part Number=8.000MHzHC-49SM, ComponentLink1Description=Chip&Dip, ComponentLink1URL=https://www.chipdip.ru/product/8mhz-hc-49sm, Type=Crystal
DD1: ComponentLink1Description=ChipDip, ComponentLink1URL=https://www.chipdip.ru/product1/8004965185, ComponentLink2Description=Datasheet, ComponentLink2URL=https://www.analog.com/ru/products/ltc6810-1.html#product-overview

## Via types
v1: diameter 0.8, hole 0.4, Top Layer to Bottom Layer, 108 vias
v2: diameter 1.2, hole 0.6, Top Layer to Bottom Layer, 1 vias

## Nets (pads, with @x,y where several pads share a name; then routed paths per layer and width w, separated by ;. In a path a pad name is that pad's centre, name@x,y a point inside that pad or via, vN(x,y) a via of type N, cw(c..) or ccw(c..) an arc to the next point about the centre after c; other vN are vias at no path point)
+3.3V: C8.2 C17.2 C18.2 C19.2 C20.2 C21.2 C22.2 C23.2 C24.2 D7.2 D10.2 R35.1 R36.2 R37.2 R38.2 R40.2 U1.2 U3.1 U3.9 U3.24 U3.36 U3.48 | length 148.7
  Top Layer w0.3: v1@13.08,-93.031 13.08,-94.533 13.61,-95.063 14.709,-95.063 14.985,-95.339 14.985,-95.952 v1(15.62,-96.587)
  Top Layer w0.5: v1@5.333,-92.396 2.148,-89.211 2.148,-81.484 3.695,-79.937 9.705,-79.937 12.844,-76.798 R38.2@12.844,-76.648 R37.2@12.844,-74.235 R36.2@12.844,-71.822 14.35,-71.822 16.636,-74.108 16.636,-78.426 17.906,-79.696 21.716,-79.696 22.842,-78.57 D10.2@22.842,-71.314 ; C8.2@30.878,-116.145 30.878,-114.705 31.048,-114.535 U1.2@31.048,-114.435 33.571,-114.435 D7.2@33.654,-114.518 34.9,-114.518 40.131,-109.287 R40.2@42.78,-109.287 42.798,-109.305 v1@42.798,-110.811
  Bottom Layer w0.3: v1@5.333,-92.396 6.051,-91.678 U3.24@11.595,-91.678 11.618,-91.701 12.335,-91.701 13.04,-92.406 v1@13.04,-93.052 ; v1(15.62,-96.587) 15.519,-96.587 14.39,-97.716 14.39,-99.15 14.096,-99.444 14.096,-100.082 15.157,-101.143 18.115,-101.143 18.962,-100.296 18.962,-99.571 18.492,-99.101 18.416,-99.101 18.37,-99.055 U3.1@18.37,-98.453 18.371,-98.452 19.779,-98.452 20.65,-97.581 ; U3.48@19.645,-97.178 20.247,-97.178 20.65,-97.581 ; 24.256,-94.792 24.256,-96.333 22.605,-97.984 21.053,-97.984 20.65,-97.581
  Bottom Layer w0.5: 18.541,-90.403 20.231,-90.403 22.478,-92.65 22.478,-93.285 23.985,-94.792 24.256,-94.792 24.4,-94.792 25.108,-94.084 R35.1@25.108,-93.108 25.124,-93.124 27.034,-93.124 C17.2@27.05,-93.14 C23.2@28.32,-93.14 C21.2@29.59,-93.14 C22.2@30.987,-93.14 C24.2@32.384,-93.14 C18.2@33.908,-93.14 C20.2@35.432,-93.14 C19.2@36.956,-93.14 37.106,-93.14 42.798,-98.832 v1@42.798,-110.811
  other v1: 42.817,-110.809 13.04,-93.031 5.325,-92.4
+5V: C7.2 Cout.2 Dtvs.1 Lout.2 Rf1.2 U1.3 U2.3 | length 112.5
  Top Layer w0.5: v1(9.77,-110.875) 10.85,-109.795 25.399,-109.795 26.542,-110.938 C7.2@26.542,-112.571 26.692,-112.571 27.055,-112.208 29.998,-112.208 30.098,-112.308 U1.3@30.098,-112.335 30.098,-116.645 32.392,-118.939 36.051,-118.939 37.568,-117.422 39.039,-115.951 40.132,-115.951 46.923,-109.16 53.146,-109.16 56.007,-106.299 56.007,-94.559 56.747,-93.819 56.747,-78.592 58.346,-76.993 58.346,-76.843 58.396,-76.793 Rf1.2@58.546,-76.793
  Bottom Layer w0.5: v1(9.77,-110.875) 9.851,-110.875 9.974,-110.998 U2.3@11.938,-110.998 ; v1(58.535,-76.745) 58.535,-57.067 58.817,-56.784 v1(58.817,-56.703)
+24V_IN: C26.2 C27.2 C28.2 J2.1 J5.8 J9.1 J9.5 | length 39
  Top Layer w0.7: J5.8@41.1,-143.175 43.688,-140.587 43.688,-134.166 42.511,-132.988 42.511,-127.2 42.311,-127 C27.2@41.361,-127 41.361,-122.895 39.497,-121.031 C28.2@39.497,-117.673 40.569,-117.673 44.45,-113.792 C26.2@48.006,-113.792